# Altium PCB pay-optical-tls2591.PcbDoc (part 3 of 4)
Units mm, origin at the board's own origin, x right, y up, seen from the top; angles counter-clockwise.
Board outline 127 x 55 mm, 4 copper layers (Top Layer, GND, POWER, Bottom Layer), stack 0.778 mm thick; 340 components, 205 nets, 1087 pads, 428 vias.
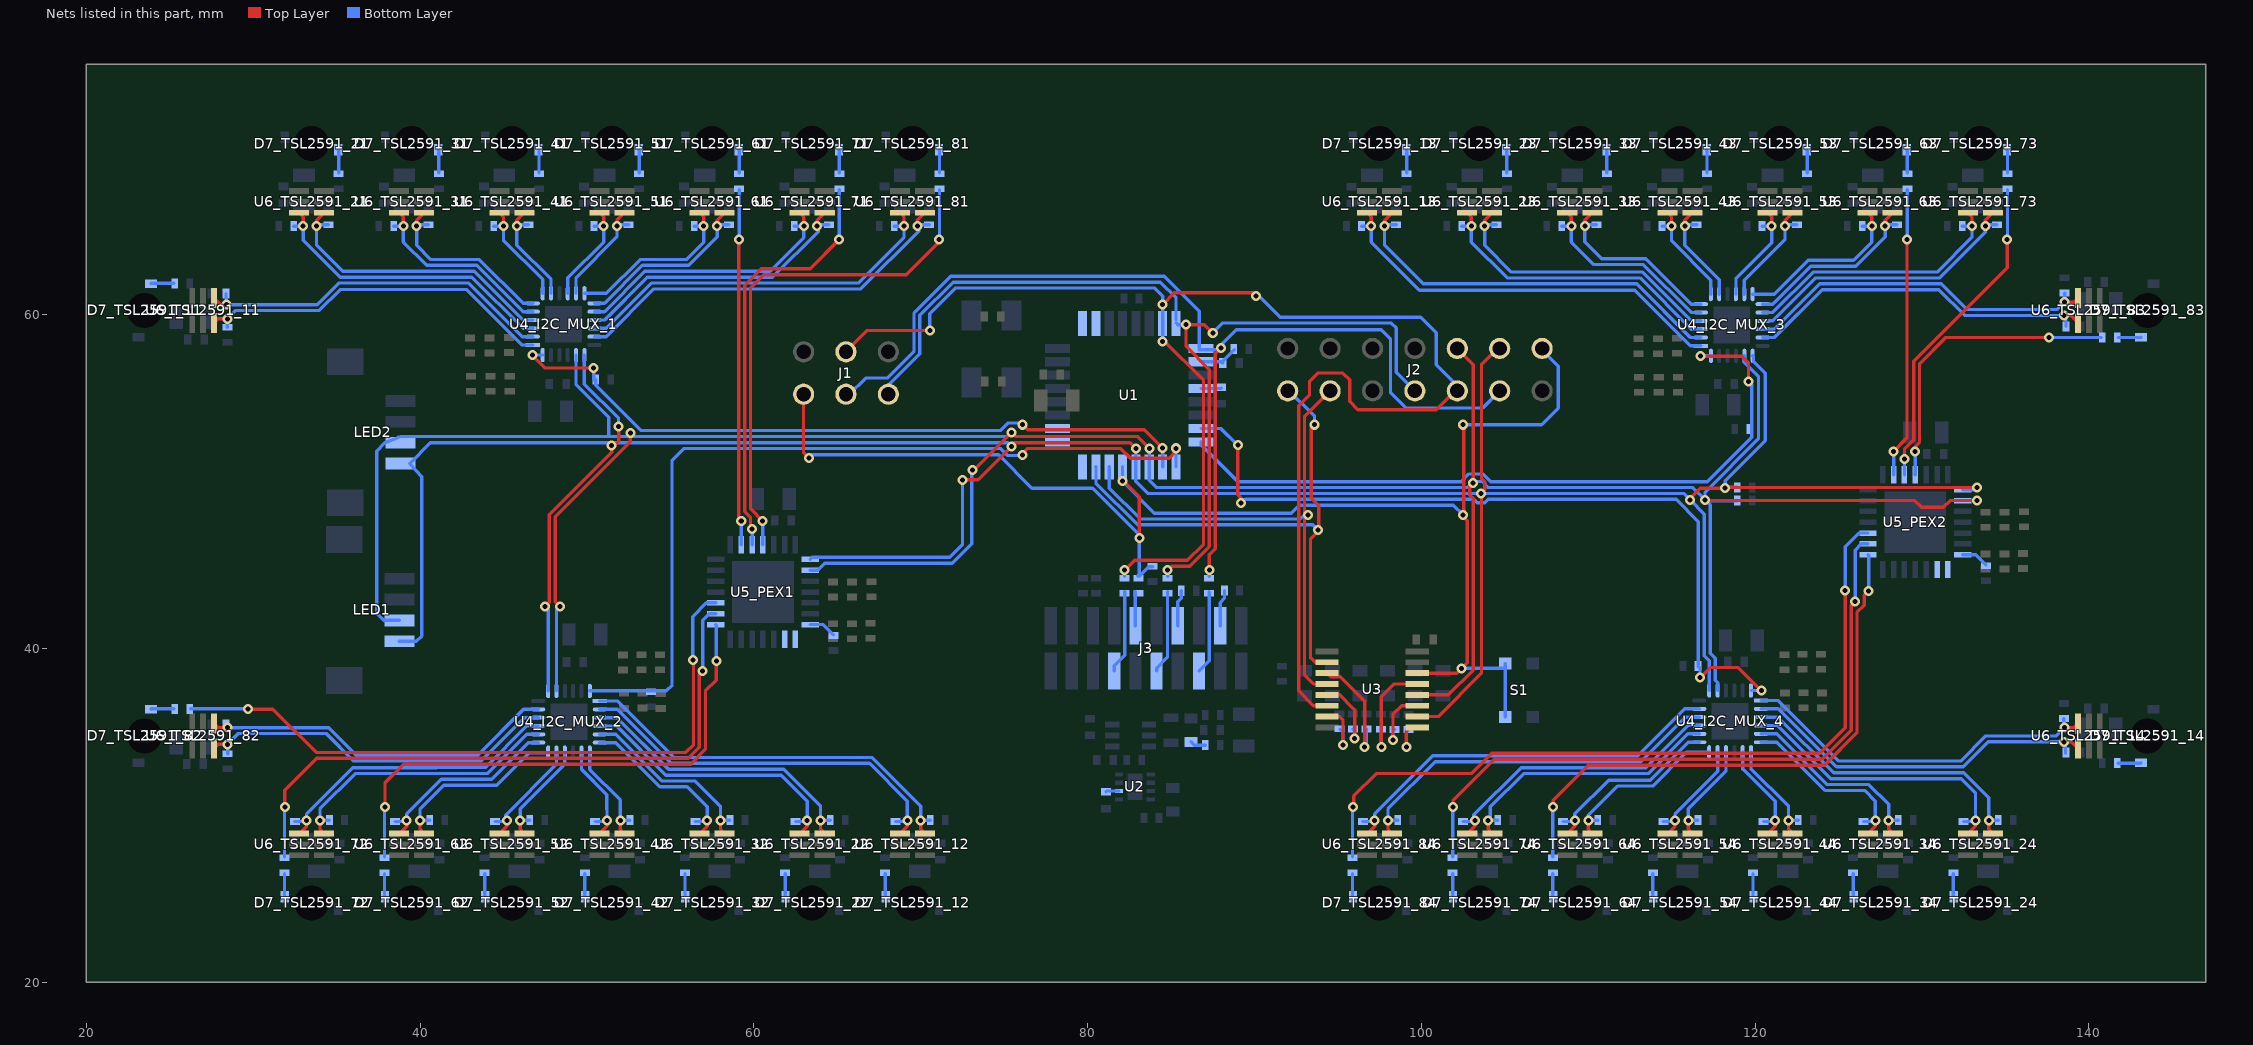
[diagram p5: the nets of this part, all layers, seen from the top]

## Via types
v1: diameter 0.6, hole 0.3, Top Layer to Bottom Layer, tented both sides, 404 vias
v2: diameter 1.3, hole 1, Top Layer to Bottom Layer, 16 vias
v3: diameter 6.5, hole 3.6, Top Layer to Bottom Layer, 8 vias

## Nets (pads, with @x,y where several pads share a name; then routed paths per layer and width w, separated by ;. In a path a pad name is that pad's centre, name@x,y a point inside that pad or via, vN(x,y) a via of type N, cw(c..) or ccw(c..) an arc to the next point about the centre after c; other vN are vias at no path point) (continued)
LED6_SENS1: R24_TSL2591_61.1 U5_PEX1.2 | length 21.3
  Top Layer w0.2: v1@59.1,64.475 59.1,47.772 v1(59.247,47.625)
  Bottom Layer w0.2: v1(59.1,64.5) 59.125,64.525 R24_TSL2591_61.1@59.125,67.492 ; U5_PEX1.2@59.247,46.211 v1(59.247,47.625)
LED6_SENS2: R24_TSL2591_62.1 U5_PEX1.22 | length 32.2
  Top Layer w0.2: v1(37.9,30.5) 37.9,31.942 39.015,33.057 56.214,33.057 57.102,33.946 57.102,37.449 57.75,38.096 v1(57.75,39.25)
  Bottom Layer w0.2: R24_TSL2591_62.1@37.875,27.509 37.875,30.475 v1(37.9,30.5) ; U5_PEX1.22@57.712,41.426 57.75,41.388 v1(57.75,39.25)
LED6_SENS3: R24_TSL2591_63.1 U5_PEX2.2 | length 17.6
  Top Layer w0.2: v1@128.152,51.956 v1(128.299,51.809) 129.1,52.61 v1@129.1,64.5
  Bottom Layer w0.2: U5_PEX2.2@128.299,50.395 v1(128.299,51.809) ; v1(129.092,64.5) 129.117,64.525 R24_TSL2591_63.1@129.117,67.491
LED6_SENS4: R24_TSL2591_64.1 U5_PEX2.22 | length 34.2
  Top Layer w0.2: v1(107.9,30.5) 107.9,30.9 110.005,33.005 124.156,33.005 126.102,34.95 126.102,42.151 126.544,42.593 126.544,43.176 v1(126.802,43.434)
  Bottom Layer w0.2: R24_TSL2591_64.1@107.875,27.508 107.875,30.475 v1(107.9,30.5) ; U5_PEX2.22@126.764,45.61 126.802,45.572 v1(126.802,43.434)
LED7_SENS1: R24_TSL2591_71.1 U5_PEX1.3 | length 25.5
  Top Layer w0.2: v1(59.9,47.15) 59.799,47.25 59.799,47.854 59.452,48.201 59.452,61.76 60.442,62.75 63.375,62.75 v1@65.125,64.5
  Bottom Layer w0.2: U5_PEX1.3@59.897,46.211 59.897,47.147 v1(59.9,47.15) ; v1(65.1,64.5) 65.125,64.525 R24_TSL2591_71.1@65.125,67.492
LED7_SENS2: R24_TSL2591_72.1 U5_PEX1.23 | length 38.5
  Top Layer w0.2: v1(31.9,30.5) 31.9,31.5 33.809,33.41 56.068,33.41 56.74,34.081 56.74,38.438 v1(56.94,38.638)
  Bottom Layer w0.2: R24_TSL2591_72.1@31.875,27.509 31.875,30.475 v1(31.9,30.5) ; v1(56.94,38.638) 56.94,41.696 57.32,42.076 U5_PEX1.23@57.712,42.076
LED7_SENS3: R24_TSL2591_73.1 U5_PEX2.3 | length 19.7
  Top Layer w0.2: v1(128.952,51.333) 128.952,51.962 129.5,52.51 129.5,57.204 135.1,62.804 v1@135.1,64.5
  Bottom Layer w0.2: U5_PEX2.3@128.949,50.395 128.949,51.33 v1(128.952,51.333) ; v1(135.092,64.5) 135.117,64.525 R24_TSL2591_73.1@135.117,67.491
LED7_SENS4: R24_TSL2591_74.1 U5_PEX2.23 | length 40.8
  Top Layer w0.2: v1(101.9,30.5) 101.9,30.9 104.357,33.357 124.01,33.357 125.749,35.096 125.749,42.579 v1(125.992,42.822)
  Bottom Layer w0.2: R24_TSL2591_74.1@101.875,27.508 101.875,30.475 v1(101.9,30.5) ; v1(125.992,42.822) 125.992,45.879 126.372,46.26 U5_PEX2.23@126.764,46.26
LED8_SENS1: R24_TSL2591_81.1 U5_PEX1.4 | length 31.2
  Top Layer w0.2: v1(60.532,47.625) 59.805,48.353 59.805,61.614 60.588,62.398 69.143,62.398 v1@71.125,64.38
  Bottom Layer w0.2: v1(60.532,47.625) 60.532,46.291 60.5,46.258 U5_PEX1.4@60.547,46.211 ; v1(71.1,64.5) 71.125,64.525 R24_TSL2591_81.1@71.125,67.492
LED8_SENS2: R24_TSL2591_82.1 U5_PEX1.24 | length 40.9
  Top Layer w0.2: v1(29.678,36.375) 29.703,36.35 31.178,36.35 33.766,33.762 55.922,33.762 56.387,34.227 56.387,39.334 v1(56.345,39.292)
  Bottom Layer w0.2: R24_TSL2591_82.1@26.258,36.375 v1(29.678,36.375) ; v1(56.345,39.292) 56.345,41.908 57.163,42.726 U5_PEX1.24@57.712,42.726
LED8_SENS3: R24_TSL2591_83.1 U5_PEX2.4 | length 18.3
  Top Layer w0.2: v1(129.584,51.809) 129.584,52.096 129.852,52.364 129.852,57.058 131.422,58.628 v1(137.6,58.628)
  Bottom Layer w0.2: v1(129.584,51.809) 129.584,50.474 129.552,50.442 U5_PEX2.4@129.599,50.395 ; v1(137.6,58.628) 138.371,58.628 138.375,58.624 R24_TSL2591_83.1@140.742,58.624
LED8_SENS4: R24_TSL2591_84.1 U5_PEX2.24 | length 47.5
  Top Layer w0.2: v1(95.9,30.5) 95.95,30.45 95.95,31.158 97.292,32.5 103.002,32.5 104.211,33.709 123.864,33.709 125.397,35.242 v1(125.397,43.475) v1@125.439,43.518
  Bottom Layer w0.2: R24_TSL2591_84.1@95.875,27.508 95.875,30.475 v1(95.9,30.5) ; v1(125.397,43.475) 125.397,46.092 126.215,46.91 U5_PEX2.24@126.764,46.91
MISO: J1.1 J2.7 R20.1 U1.16 | length 58.8
  Top Layer w0.2: v1(84.797,44.692) 85.033,44.929 86.126,44.929 87.3,46.103 87.3,56.7 85.9,58.1 v1(85.9,59.4) 87,59.4 v1(87.5,58.9)
  Bottom Layer w0.2: J1.1@68.062,55.23 68.062,55.762 69.952,57.652 69.952,59.954 71.946,61.948 84.352,61.948 85.3,61 U1.16@85.3,59.7 ; R20.1@84.797,44.303 v1(84.797,44.692) ; U1.16@85.3,59.5 85.4,59.4 v1(85.9,59.4) ; v1(87.5,58.9) 88.1,59.5 90.9,59.5 90.905,59.495 98.205,59.495 98.5,59.2 98.5,56.543 J2.7@99.613,55.43
MISO_IN: J3.11 R20.2 | length 5
  Bottom Layer w0.2: J3.11@84.135,38.641 84.135,38.812 84.784,39.461 84.784,43.403 R20.2@84.797,43.403
MOSI: J1.4 J2.9 R18.1 U1.15 U3.6 | length 96.7
  Top Layer w0.2: J1.4@65.522,57.77 66.8,59.048 v1(70.552,59.048) ; v1(82.214,44.682) 82.814,45.282 85.98,45.282 86.948,46.249 86.948,56.052 84.5,58.5 v1(84.5,58.4) ; v1(84.5,60.6) 85.2,61.3 89.9,61.3 v1(90.1,61.1) ; U3.6@94.347,36.566 93.534,36.566 92.648,37.452 92.648,54.548 93.3,55.2 93.3,56 93.8,56.5 95.3,56.5 95.7,56.1 95.7,54.8 96.2,54.3 100.9,54.3 J2.9@102,55.4
  Bottom Layer w0.2: v1(70.552,59.048) 70.552,60.055 72.092,61.595 84.005,61.595 84.5,61.1 v1(84.5,60.6) U1.15@84.5,59.5 ; R18.1@82.214,44.303 v1(82.214,44.682) ; U1.15@84.496,59.475 84.496,58.404 v1(84.5,58.4) ; v1@90.2,61.2 91.552,59.848 99.952,59.848 100.9,58.9 100.9,57 102.153,55.747 J2.9@102.153,55.43
MOSI_IN: J3.7 R18.2 | length 5
  Bottom Layer w0.2: J3.7@81.595,38.641 81.595,38.951 82.221,39.577 82.221,43.397 R18.2@82.214,43.403
MUX1_RST_N: R45_I2C_MUX_1.1 U1.26 U4_I2C_MUX_1.24 | length 42.7
  Top Layer w0.2: v1(46.726,57.574) 47.5,56.8 v1(50.4,56.8) ; v1(76.1,53.4) 76.4,53.1 83.391,53.1 v1(84.496,51.996)
  Bottom Layer w0.2: v1(46.726,57.574) U4_I2C_MUX_1.24@47.35,57.574 ; R45_I2C_MUX_1.1@50.4,56.099 v1(50.4,56.8) ; R45_I2C_MUX_1.1@50.524,56.099 50.524,55.776 53.248,53.052 74.772,53.052 75.221,53.502 75.998,53.502 v1(76.1,53.4) ; U1.26@84.496,50.875 v1(84.496,51.996)
MUX2_RST_N: R45_I2C_MUX_2.1 U1.25 U4_I2C_MUX_2.24 | length 51.1
  Top Layer w0.2: v1(76.1,51.6) 76.1,51.7 76.373,51.973 81.998,51.973 82.571,51.4 84.897,51.4 85.296,51.799 v1(85.296,51.991)
  Bottom Layer w0.2: U4_I2C_MUX_2.24@50.175,37.452 54.752,37.452 55.1,37.8 55.1,51.273 55.8,51.973 74.791,51.973 75.209,51.555 76.055,51.555 v1(76.1,51.6) ; U1.25@85.296,50.875 v1(85.296,51.991)
MUX3_RST_N: R45_I2C_MUX_3.1 U1.24 U4_I2C_MUX_3.24 | length 43.8
  Top Layer w0.2: v1(116.725,57.527) 116.752,57.5 119.2,57.5 119.6,57.1 v1(119.6,56)
  Bottom Layer w0.2: U1.24@86.796,52.375 86.796,52.204 89.013,49.987 102.387,49.987 102.852,50.452 103.693,50.452 104.157,49.987 117.137,49.987 119.8,52.651 119.8,55.8 v1(119.6,56) ; v1(116.725,57.527) U4_I2C_MUX_3.24@117.349,57.527
MUX4_RST_N: R45_I2C_MUX_4.1 U1.23 U4_I2C_MUX_4.24 | length 48.8
  Top Layer w0.2: v1(89,52.2) 89,49.215 88.992,49.208 89.2,49 v1(89.2,48.7) ; v1(116.7,38.25) 117.302,38.852 118.997,38.852 v1(120.374,37.475)
  Bottom Layer w0.2: U1.23@86.796,53.175 87.992,53.175 88.967,52.2 v1(89,52.2) ; v1(89.2,48.7) 89.43,48.93 103.154,48.93 103.354,48.73 103.811,48.73 104.011,48.93 115.27,48.93 116.6,47.6 R45_I2C_MUX_4.1@116.6,39 ; R45_I2C_MUX_4.1@116.6,38.9 116.7,38.8 v1(116.7,38.25) ; U4_I2C_MUX_4.24@119.75,37.475 v1(120.374,37.475)
NetC3_2: C3.2 U1.20 | length 1.2
  Bottom Layer w0.2: U1.20@86.796,55.575 87.975,55.575 C3.2@88,55.6
NetC4_2: C4.2 R1.1 U1.18 | length 2.4
  Bottom Layer w0.2: U1.18@86.796,57.175 88.025,57.175 C4.2@88.1,57.1 88.1,57.2 R1.1@88.8,57.9
NetC8_1: C8.1 R6.2 | length 0.9
  Bottom Layer w0.2: C8.1@86.2,34.4 86.4,34.2 R6.2@87.05,34.2
NetC19_2: C19.2 U2.6 | length 0.8
  Bottom Layer w0.2: C19.2@81.1,31.4 81.15,31.45 U2.6@81.884,31.45
NetD7_TSL2591_11_1: D7_TSL2591_11.1 R24_TSL2591_11.2 | length 1.4
  Bottom Layer w0.2: D7_TSL2591_11.1@23.875,61.85 23.9,61.875 R24_TSL2591_11.2@25.258,61.875
NetD7_TSL2591_12_1: D7_TSL2591_12.1 R24_TSL2591_12.2 | length 1.4
  Bottom Layer w0.2: R24_TSL2591_12.2@67.875,26.509 67.875,25.151 D7_TSL2591_12.1@67.9,25.125
NetD7_TSL2591_13_1: D7_TSL2591_13.1 R24_TSL2591_13.2 | length 1.4
  Bottom Layer w0.2: D7_TSL2591_13.1@99.092,69.875 99.117,69.849 R24_TSL2591_13.2@99.117,68.491
NetD7_TSL2591_14_1: D7_TSL2591_14.1 R24_TSL2591_14.2 | length 1.4
  Bottom Layer w0.2: R24_TSL2591_14.2@141.742,33.125 143.1,33.125 D7_TSL2591_14.1@143.125,33.15
NetD7_TSL2591_21_1: D7_TSL2591_21.1 R24_TSL2591_21.2 | length 1.4
  Bottom Layer w0.2: D7_TSL2591_21.1@35.1,69.875 35.125,69.85 R24_TSL2591_21.2@35.125,68.492
NetD7_TSL2591_22_1: D7_TSL2591_22.1 R24_TSL2591_22.2 | length 1.4
  Bottom Layer w0.2: R24_TSL2591_22.2@61.875,26.509 61.875,25.151 D7_TSL2591_22.1@61.9,25.125
NetD7_TSL2591_23_1: D7_TSL2591_23.1 R24_TSL2591_23.2 | length 1.4
  Bottom Layer w0.2: D7_TSL2591_23.1@105.092,69.875 105.117,69.849 R24_TSL2591_23.2@105.117,68.491
NetD7_TSL2591_24_1: D7_TSL2591_24.1 R24_TSL2591_24.2 | length 1.4
  Bottom Layer w0.2: R24_TSL2591_24.2@131.875,26.508 131.875,25.15 D7_TSL2591_24.1@131.9,25.125
NetD7_TSL2591_31_1: D7_TSL2591_31.1 R24_TSL2591_31.2 | length 1.4
  Bottom Layer w0.2: D7_TSL2591_31.1@41.1,69.875 41.125,69.85 R24_TSL2591_31.2@41.125,68.492
NetD7_TSL2591_32_1: D7_TSL2591_32.1 R24_TSL2591_32.2 | length 1.4
  Bottom Layer w0.2: R24_TSL2591_32.2@55.875,26.509 55.875,25.151 D7_TSL2591_32.1@55.9,25.125
NetD7_TSL2591_33_1: D7_TSL2591_33.1 R24_TSL2591_33.2 | length 1.4
  Bottom Layer w0.2: D7_TSL2591_33.1@111.092,69.875 111.117,69.849 R24_TSL2591_33.2@111.117,68.491
NetD7_TSL2591_34_1: D7_TSL2591_34.1 R24_TSL2591_34.2 | length 1.4
  Bottom Layer w0.2: R24_TSL2591_34.2@125.875,26.508 125.875,25.15 D7_TSL2591_34.1@125.9,25.125
NetD7_TSL2591_41_1: D7_TSL2591_41.1 R24_TSL2591_41.2 | length 1.4
  Bottom Layer w0.2: D7_TSL2591_41.1@47.1,69.875 47.125,69.85 R24_TSL2591_41.2@47.125,68.492
NetD7_TSL2591_42_1: D7_TSL2591_42.1 R24_TSL2591_42.2 | length 1.4
  Bottom Layer w0.2: R24_TSL2591_42.2@49.875,26.509 49.875,25.151 D7_TSL2591_42.1@49.9,25.125
NetD7_TSL2591_43_1: D7_TSL2591_43.1 R24_TSL2591_43.2 | length 1.4
  Bottom Layer w0.2: D7_TSL2591_43.1@117.092,69.875 117.117,69.849 R24_TSL2591_43.2@117.117,68.491
NetD7_TSL2591_44_1: D7_TSL2591_44.1 R24_TSL2591_44.2 | length 1.4
  Bottom Layer w0.2: R24_TSL2591_44.2@119.875,26.508 119.875,25.15 D7_TSL2591_44.1@119.9,25.125
NetD7_TSL2591_51_1: D7_TSL2591_51.1 R24_TSL2591_51.2 | length 1.4
  Bottom Layer w0.2: D7_TSL2591_51.1@53.1,69.875 53.125,69.85 R24_TSL2591_51.2@53.125,68.492
NetD7_TSL2591_52_1: D7_TSL2591_52.1 R24_TSL2591_52.2 | length 1.4
  Bottom Layer w0.2: R24_TSL2591_52.2@43.875,26.509 43.875,25.151 D7_TSL2591_52.1@43.9,25.125
NetD7_TSL2591_53_1: D7_TSL2591_53.1 R24_TSL2591_53.2 | length 1.4
  Bottom Layer w0.2: D7_TSL2591_53.1@123.092,69.875 123.117,69.849 R24_TSL2591_53.2@123.117,68.491
NetD7_TSL2591_54_1: D7_TSL2591_54.1 R24_TSL2591_54.2 | length 1.4
  Bottom Layer w0.2: R24_TSL2591_54.2@113.875,26.508 113.875,25.15 D7_TSL2591_54.1@113.9,25.125
NetD7_TSL2591_61_1: D7_TSL2591_61.1 R24_TSL2591_61.2 | length 1.4
  Bottom Layer w0.2: D7_TSL2591_61.1@59.1,69.875 59.125,69.85 R24_TSL2591_61.2@59.125,68.492
NetD7_TSL2591_62_1: D7_TSL2591_62.1 R24_TSL2591_62.2 | length 1.4
  Bottom Layer w0.2: R24_TSL2591_62.2@37.875,26.509 37.875,25.151 D7_TSL2591_62.1@37.9,25.125
NetD7_TSL2591_63_1: D7_TSL2591_63.1 R24_TSL2591_63.2 | length 1.4
  Bottom Layer w0.2: D7_TSL2591_63.1@129.092,69.875 129.117,69.849 R24_TSL2591_63.2@129.117,68.491
NetD7_TSL2591_64_1: D7_TSL2591_64.1 R24_TSL2591_64.2 | length 1.4
  Bottom Layer w0.2: R24_TSL2591_64.2@107.875,26.508 107.875,25.15 D7_TSL2591_64.1@107.9,25.125
NetD7_TSL2591_71_1: D7_TSL2591_71.1 R24_TSL2591_71.2 | length 1.4
  Bottom Layer w0.2: D7_TSL2591_71.1@65.1,69.875 65.125,69.85 R24_TSL2591_71.2@65.125,68.492
NetD7_TSL2591_72_1: D7_TSL2591_72.1 R24_TSL2591_72.2 | length 1.4
  Bottom Layer w0.2: R24_TSL2591_72.2@31.875,26.509 31.875,25.151 D7_TSL2591_72.1@31.9,25.125
NetD7_TSL2591_73_1: D7_TSL2591_73.1 R24_TSL2591_73.2 | length 1.4
  Bottom Layer w0.2: D7_TSL2591_73.1@135.092,69.875 135.117,69.849 R24_TSL2591_73.2@135.117,68.491
NetD7_TSL2591_74_1: D7_TSL2591_74.1 R24_TSL2591_74.2 | length 1.4
  Bottom Layer w0.2: R24_TSL2591_74.2@101.875,26.508 101.875,25.15 D7_TSL2591_74.1@101.9,25.125
NetD7_TSL2591_81_1: D7_TSL2591_81.1 R24_TSL2591_81.2 | length 1.4
  Bottom Layer w0.2: D7_TSL2591_81.1@71.1,69.875 71.125,69.85 R24_TSL2591_81.2@71.125,68.492
NetD7_TSL2591_82_1: D7_TSL2591_82.1 R24_TSL2591_82.2 | length 1.4
  Bottom Layer w0.2: D7_TSL2591_82.1@23.875,36.35 23.9,36.375 R24_TSL2591_82.2@25.258,36.375
NetD7_TSL2591_83_1: D7_TSL2591_83.1 R24_TSL2591_83.2 | length 1.4
  Bottom Layer w0.2: R24_TSL2591_83.2@141.742,58.624 143.099,58.624 D7_TSL2591_83.1@143.125,58.649
NetD7_TSL2591_84_1: D7_TSL2591_84.1 R24_TSL2591_84.2 | length 1.4
  Bottom Layer w0.2: R24_TSL2591_84.2@95.875,26.508 95.875,25.15 D7_TSL2591_84.1@95.9,25.125
NetJ3_14: J3.14 R4.1 | length 2.1
  Bottom Layer w0.2: J3.14@85.405,41.359 85.4,41.364 85.4,42.8 85.603,43.003 ; 85.603,43.053 R4.1@85.603,43.453
NetJ3_18: J3.18 R5.1 | length 2.1
  Bottom Layer w0.2: J3.18@87.945,41.359 87.945,42.745 88.2,43 ; 88.203,43.054 R5.1@88.203,43.454
NetR32_PEX1_1: R32_PEX1.1 U5_PEX1.14 | length 1.6
  Bottom Layer w0.2: U5_PEX1.14@63.382,41.426 64.169,41.426 R32_PEX1.1@64.774,40.82
NetR32_PEX2_1: R32_PEX2.1 U5_PEX2.14 | length 1.6
  Bottom Layer w0.2: U5_PEX2.14@132.434,45.61 133.221,45.61 R32_PEX2.1@133.826,45.004
NetU1_1: U1.1
NetU1_2: U1.2
NetU1_9: U1.9
NetU1_10: U1.10
NetU1_32: U1.32
NetU5_PEX1_15: U5_PEX1.15
NetU5_PEX1_16: U5_PEX1.16
NetU5_PEX2_15: U5_PEX2.15
NetU5_PEX2_16: U5_PEX2.16
OUT1: R8.2 U3.3 | length 6.8
  Top Layer w0.2: U3.3@94.347,38.516 94.569,38.293 95.151,38.293 96.6,36.845 v1(96.6,34.1)
  Bottom Layer w0.2: v1(96.6,34.1) 96.7,34.2 96.7,35.12 R8.2@96.746,35.166
OUT2: R9.2 U3.5 | length 4.5
  Top Layer w0.2: U3.5@94.347,37.216 95.101,37.216 95.9,36.417 95.898,36.415 95.9,36.413 96,36.313 v1(96,34.6) 96,34.617 v1@95.898,34.718
  Bottom Layer w0.2: R9.2@95.898,35.166 95.9,35.164 96,35.065 v1(96,34.6)
OUT3: R10.2 U3.7 | length 3.6
  Top Layer w0.2: U3.7@94.347,35.916 95.101,35.916 95.3,35.717 v1(95.3,34.2)
  Bottom Layer w0.2: R10.2@95.123,35.166 95.3,34.989 v1(95.3,34.2)
OUT4: R11.2 U3.9 | length 2.7
  Top Layer w0.2: v1(99.1,34.1) 99.1,35.017 99.349,35.266 U3.9@99.747,35.266
  Bottom Layer w0.2: v1(99.1,34.1) 99.111,34.111 R11.2@99.111,35.167
OUT5: R12.2 U3.11 | length 3.9
  Top Layer w0.2: v1(98.3,34.5) 98.3,36.042 98.824,36.566 U3.11@99.747,36.566
  Bottom Layer w0.2: v1(98.3,34.5) 98.3,35.041 R12.2@98.4,35.142
OUT6: R13.2 U3.13 | length 6.2
  Top Layer w0.2: v1(97.6,34.1) 97.6,37.092 98.374,37.866 U3.13@99.747,37.866
  Bottom Layer w0.2: R13.2@97.594,35.159 97.594,34.381 v1@97.6,34.375
RST_N: J1.5 J2.14 R2.1 R19.2 S1.1 U1.29 U3.14 | length 89.4
  Top Layer w0.2: J1.5@62.982,55.23 62.982,51.718 v1(63.3,51.4) ; v1(82.096,50.025) 82.175,50.025 83.1,49.1 v1(83.1,46.6) ; U3.14@99.747,38.516 102.116,38.516 v1(102.4,38.8) 102.748,39.148 102.748,47.652 102.548,47.852 102.548,53.352 v1(102.5,53.4)
  Bottom Layer w0.2: v1(63.3,51.4) 63.5,51.6 74.665,51.6 76.665,49.6 ; 76.7,49.6 80.303,49.6 83.1,46.803 v1(83.1,46.6) 83.1,44.459 83,44.359 83.055,44.303 83.652,44.9 R2.1@83.9,44.9 ; v1(82.096,50.025) v1@82.096,50.004 ; U1.29@82.096,50.875 v1@82.096,50.004 ; v1(102.4,38.8) S1.1@105.027,38.8 ; v1(102.5,48) 101.922,48.578 92.678,48.578 92.205,48.105 83.995,48.105 v1@82.096,50.004 ; v1(102.5,53.4) 107.2,53.4 108.2,54.4 108.2,56.9 107.233,57.867 J2.14@107.233,57.97 ; S1.1@105.027,35.891 S1.1@105.027,38.8 ; S1.1@105.027,39.091 S1.1@105.027,38.8
RST_N_IN: J3.10 R19.1 | length 2
  Bottom Layer w0.2: R19.1@82.855,43.403 82.865,43.394 J3.10@82.865,41.359
RX: J2.3 U1.30 U3.4 | length 33.4
  Top Layer w0.2: v1(93.2,48) v1@93.3,48.1 ; U3.4@94.347,37.866 93.534,37.866 93,38.4 93,48.4 93,53.9 J2.3@94.5,55.4
  Bottom Layer w0.2: U1.30@81.296,50.875 81.296,49.604 83.148,47.752 92.752,47.752 93,48 v1(93.2,48)
SCK: J1.3 J2.11 R21.1 U1.17 | length 65.3
  Top Layer w0.2: v1(87.3,44.7) 87.3,45.552 87.273,45.578 87.652,45.957 87.652,57.652 v1(88,58)
  Bottom Layer w0.2: J1.3@65.522,55.23 65.73,55.23 66.7,56.2 68,56.2 69.6,57.8 69.6,60.1 71.8,62.3 84.6,62.3 86.7,60.2 U1.17@86.7,58 ; U1.17@86.7,57.9 87.9,57.9 v1(88,58) ; R21.1@87.273,44.303 87.3,44.33 v1(87.3,44.7) ; v1@88.1,58.1 88.1,58.3 88.155,58.355 88.9,59.1 97.6,59.1 98.148,58.552 98.148,55.352 99.1,54.4 103.663,54.4 J2.11@104.693,55.43
SCK_IN: J3.15 R21.2 | length 5
  Bottom Layer w0.2: J3.15@86.675,38.641 87.3,39.266 87.3,43.377 R21.2@87.273,43.403
SCL: J2.12 LED1.4 LED2.4 R15.1 U1.28 U3.10 U4_I2C_MUX_1.19 U4_I2C_MUX_2.19 U4_I2C_MUX_3.19 U4_I2C_MUX_4.19 U5_PEX1.8 U5_PEX2.8 | length 197.2
  Top Layer w0.2: v1(47.5,42.5) 47.748,42.748 47.748,48.021 51.484,51.757 v1(51.484,52.148) 51.623,52.148 51.9,52.425 v1(51.9,53.3) ; v1(72.5,50.1) 73.436,50.1 v1(75.443,52.107) ; v1@75.528,52.325 82.542,52.325 v1(82.896,51.971) ; U3.10@99.747,35.916 101.016,35.916 103.6,38.5 v1@103.6,49.3 ; v1(103.583,49.283) v1@103.6,49.3 ; J2.12@104.6,58 103.6,57 103.6,50.181 103.8,49.981 103.8,49.5 v1@103.6,49.3 ; v1(116.1,48.9) 116.1,49 116.7,49.6 v1(118.2,49.6) ; v1@118.335,49.635 v1(133.3,49.635)
  Bottom Layer w0.2: LED1.4@38.763,40.425 39.784,40.425 40.1,40.741 40.1,50.287 39.375,51.075 40.625,52.325 75.225,52.325 v1(75.443,52.107) ; v1(47.5,42.5) 47.675,42.325 47.675,38.457 47.678,38.455 47.678,37.454 U4_I2C_MUX_2.19@47.675,37.452 ; U4_I2C_MUX_1.19@49.85,57.574 49.848,57.572 49.848,55.827 51.895,53.779 v1@51.895,53.3 ; U5_PEX1.8@63.382,45.326 63.508,45.452 71.748,45.452 72.5,46.204 v1(72.5,50.1) ; v1(82.896,51.971) U1.28@82.896,50.875 82.896,50 83.613,49.283 v1(103.583,49.283) 115.717,49.283 v1(116.1,48.9) 116.952,48.048 116.952,39.558 117.252,39.258 117.252,37.478 U4_I2C_MUX_4.19@117.25,37.475 ; R15.1@118.924,49.65 118.25,49.65 v1(118.2,49.6) 118.2,50.054 120.6,52.454 120.6,56.5 119.897,57.203 119.897,57.479 U4_I2C_MUX_3.19@119.849,57.527 ; U5_PEX2.8@132.434,49.51 133.175,49.51 v1(133.3,49.635)
SCL0_I2C_MUX_1: R23_TSL2591_11.1 U4_I2C_MUX_1.2 U6_TSL2591_11.1 | length 21.8
  Top Layer w0.2: U6_TSL2591_11.1@27.65,61 28.05,60.6 v1(28.4,60.6)
  Bottom Layer w0.2: R23_TSL2591_11.1@28.374,61.253 28.374,60.626 v1(28.4,60.6) 33.826,60.6 35.116,61.89 42.909,61.89 46.125,58.675 U4_I2C_MUX_1.2@46.749,58.675
SCL0_I2C_MUX_2: R23_TSL2591_12.1 U4_I2C_MUX_2.2 U6_TSL2591_12.1 | length 23.6
  Top Layer w0.2: U6_TSL2591_12.1@68.75,28.9 69.2,29.35 v1(69.2,29.7)
  Bottom Layer w0.2: U4_I2C_MUX_2.2@50.776,36.351 51.822,36.351 55.063,33.11 66.935,33.11 69.2,30.845 v1(69.2,29.7) 69.124,29.624 R23_TSL2591_12.1@68.497,29.624
SCL0_I2C_MUX_3: R23_TSL2591_13.1 U4_I2C_MUX_3.2 U6_TSL2591_13.1 | length 24.1
  Top Layer w0.2: v1(97.792,65.3) 97.792,65.65 U6_TSL2591_13.1@98.242,66.1
  Bottom Layer w0.2: R23_TSL2591_13.1@98.495,65.376 97.868,65.376 v1(97.792,65.3) 97.792,64.155 100.104,61.843 112.909,61.843 116.124,58.628 U4_I2C_MUX_3.2@116.749,58.628
SCL0_I2C_MUX_4: R23_TSL2591_14.1 U4_I2C_MUX_4.2 U6_TSL2591_14.1 | length 22
  Top Layer w0.2: v1(138.5,34.4) 138.95,34.4 U6_TSL2591_14.1@139.35,34
  Bottom Layer w0.2: U4_I2C_MUX_4.2@120.351,36.375 121.396,36.375 124.874,32.898 132.466,32.898 133.968,34.4 v1(138.5,34.4) 138.6,34.3 R23_TSL2591_14.1@138.6,33.7
SCL1_I2C_MUX_1: R23_TSL2591_21.1 U4_I2C_MUX_1.4 U6_TSL2591_21.1 | length 17.7
  Top Layer w0.2: v1(33.8,65.3) 33.8,65.65 U6_TSL2591_21.1@34.25,66.1
  Bottom Layer w0.2: R23_TSL2591_21.1@34.503,65.376 33.876,65.376 v1(33.8,65.3) 33.8,64.155 35.36,62.595 43.253,62.595 46.173,59.675 U4_I2C_MUX_1.4@46.749,59.675
SCL1_I2C_MUX_2: R23_TSL2591_22.1 U4_I2C_MUX_2.4 U6_TSL2591_22.1 | length 17.2
  Top Layer w0.2: U6_TSL2591_22.1@62.75,28.9 63.2,29.35 v1(63.2,29.7)
  Bottom Layer w0.2: U4_I2C_MUX_2.4@50.776,35.351 51.772,35.351 54.718,32.405 61.64,32.405 63.2,30.845 v1(63.2,29.7) 63.124,29.624 R23_TSL2591_22.1@62.497,29.624
SCL1_I2C_MUX_3: R23_TSL2591_23.1 U4_I2C_MUX_3.4 U6_TSL2591_23.1 | length 17.7
  Top Layer w0.2: v1(103.792,65.3) 103.792,65.65 U6_TSL2591_23.1@104.242,66.1
  Bottom Layer w0.2: R23_TSL2591_23.1@104.495,65.376 103.868,65.376 v1(103.792,65.3) 103.792,64.155 105.399,62.548 113.252,62.548 116.173,59.628 U4_I2C_MUX_3.4@116.749,59.628
SCL1_I2C_MUX_4: R23_TSL2591_24.1 U4_I2C_MUX_4.4 U6_TSL2591_24.1 | length 17.9
  Top Layer w0.2: U6_TSL2591_24.1@132.75,28.9 133.2,29.35 v1(133.2,29.7)
  Bottom Layer w0.2: U4_I2C_MUX_4.4@120.351,35.375 121.346,35.375 124.528,32.193 132.352,32.193 133.2,31.345 v1(133.2,29.7) 133.124,29.624 R23_TSL2591_24.1@132.498,29.624
SCL2_I2C_MUX_1: R23_TSL2591_31.1 U4_I2C_MUX_1.6 U6_TSL2591_31.1 | length 11.3
  Top Layer w0.2: v1(39.8,65.3) 39.8,65.65 U6_TSL2591_31.1@40.25,66.1
  Bottom Layer w0.2: R23_TSL2591_31.1@40.503,65.376 39.876,65.376 v1(39.8,65.3) 39.8,64.155 40.655,63.3 43.545,63.3 46.17,60.675 U4_I2C_MUX_1.6@46.749,60.675
SCL2_I2C_MUX_2: R23_TSL2591_32.1 U4_I2C_MUX_2.6 U6_TSL2591_32.1 | length 10.5
  Top Layer w0.2: U6_TSL2591_32.1@56.75,28.9 57.2,29.35 v1(57.2,29.7)
  Bottom Layer w0.2: U4_I2C_MUX_2.6@50.776,34.351 51.724,34.351 54.375,31.7 56,31.7 57.2,30.5 v1(57.2,29.7) 57.124,29.624 R23_TSL2591_32.1@56.497,29.624
SCL2_I2C_MUX_3: R23_TSL2591_33.1 U4_I2C_MUX_3.6 U6_TSL2591_33.1 | length 11.2
  Top Layer w0.2: v1(109.792,65.3) 109.792,65.65 U6_TSL2591_33.1@110.242,66.1
  Bottom Layer w0.2: R23_TSL2591_33.1@110.495,65.376 109.868,65.376 v1(109.792,65.3) 109.792,64.361 110.8,63.352 113.445,63.352 116.169,60.628 U4_I2C_MUX_3.6@116.749,60.628
SCL2_I2C_MUX_4: R23_TSL2591_34.1 U4_I2C_MUX_4.6 U6_TSL2591_34.1 | length 11.2
  Top Layer w0.2: U6_TSL2591_34.1@126.75,28.9 127.2,29.35 v1(127.2,29.7)
  Bottom Layer w0.2: U4_I2C_MUX_4.6@120.351,34.375 121.298,34.375 124.185,31.488 126.557,31.488 127.2,30.844 v1(127.2,29.7) 127.124,29.624 R23_TSL2591_34.1@126.498,29.624
SCL3_I2C_MUX_1: R23_TSL2591_41.1 U4_I2C_MUX_1.8 U6_TSL2591_41.1 | length 6.6
  Top Layer w0.2: v1(45.8,65.3) 45.8,65.65 U6_TSL2591_41.1@46.25,66.1
  Bottom Layer w0.2: R23_TSL2591_41.1@46.503,65.376 45.876,65.376 v1(45.8,65.3) 45.8,64.155 47.85,62.106 U4_I2C_MUX_1.8@47.85,61.275
SCL3_I2C_MUX_2: R23_TSL2591_42.1 U4_I2C_MUX_2.8 U6_TSL2591_42.1 | length 6.4
  Top Layer w0.2: U6_TSL2591_42.1@50.75,28.9 51.2,29.35 v1(51.2,29.7)
  Bottom Layer w0.2: U4_I2C_MUX_2.8@49.675,33.751 49.675,32.742 51.197,31.22 51.197,30.351 51.2,30.349 v1(51.2,29.7) 51.124,29.624 R23_TSL2591_42.1@50.497,29.624
SCL3_I2C_MUX_3: R23_TSL2591_43.1 U4_I2C_MUX_3.8 U6_TSL2591_43.1 | length 6.6
  Top Layer w0.2: v1(115.792,65.3) 115.792,65.65 U6_TSL2591_43.1@116.242,66.1
  Bottom Layer w0.2: R23_TSL2591_43.1@116.495,65.376 115.868,65.376 v1(115.792,65.3) 115.792,64.155 117.849,62.098 U4_I2C_MUX_3.8@117.849,61.228
SCL3_I2C_MUX_4: R23_TSL2591_44.1 U4_I2C_MUX_4.8 U6_TSL2591_44.1 | length 6.6
  Top Layer w0.2: U6_TSL2591_44.1@120.75,28.9 121.2,29.35 v1(121.2,29.7)
  Bottom Layer w0.2: U4_I2C_MUX_4.8@119.25,33.774 119.25,32.766 119.279,32.766 121.2,30.844 v1(121.2,29.7) 121.124,29.624 R23_TSL2591_44.1@120.498,29.624
SCL4_I2C_MUX_1: R23_TSL2591_51.1 U4_I2C_MUX_1.11 U6_TSL2591_51.1 | length 6.8
  Top Layer w0.2: v1(51.8,65.3) 51.8,65.65 U6_TSL2591_51.1@52.25,66.1
  Bottom Layer w0.2: U4_I2C_MUX_1.11@49.35,61.275 49.35,62.202 51.8,64.652 v1(51.8,65.3) 51.876,65.376 R23_TSL2591_51.1@52.503,65.376
SCL4_I2C_MUX_2: R23_TSL2591_52.1 U4_I2C_MUX_2.11 U6_TSL2591_52.1 | length 7
  Top Layer w0.2: U6_TSL2591_52.1@44.75,28.9 45.2,29.35 v1(45.2,29.7)
  Bottom Layer w0.2: R23_TSL2591_52.1@44.497,29.624 45.124,29.624 45.124,30 48.175,33.052 U4_I2C_MUX_2.11@48.175,33.751
SCL4_I2C_MUX_3: R23_TSL2591_53.1 U4_I2C_MUX_3.11 U6_TSL2591_53.1 | length 6.8
  Top Layer w0.2: v1(121.792,65.3) 121.792,65.65 U6_TSL2591_53.1@122.242,66.1
  Bottom Layer w0.2: U4_I2C_MUX_3.11@119.349,61.228 119.349,62.058 121.792,64.5 v1(121.792,65.3) 121.868,65.376 R23_TSL2591_53.1@122.495,65.376
SCL4_I2C_MUX_4: R23_TSL2591_54.1 U4_I2C_MUX_4.11 U6_TSL2591_54.1 | length 6.9
  Top Layer w0.2: U6_TSL2591_54.1@114.75,28.9 115.2,29.35 v1(115.2,29.7)
  Bottom Layer w0.2: R23_TSL2591_54.1@114.498,29.624 115.124,29.624 v1(115.2,29.7) 115.2,30.076 117.75,32.626 U4_I2C_MUX_4.11@117.75,33.774
SCL5_I2C_MUX_1: R23_TSL2591_61.1 U4_I2C_MUX_1.13 U6_TSL2591_61.1 | length 11.4
  Top Layer w0.2: v1(57.8,65.3) 57.8,65.65 U6_TSL2591_61.1@58.25,66.1
  Bottom Layer w0.2: U4_I2C_MUX_1.13@50.45,60.675 51.056,60.675 53.329,62.948 56.096,62.948 57.8,64.652 v1(57.8,65.3) 57.876,65.376 R23_TSL2591_61.1@58.503,65.376
SCL5_I2C_MUX_2: R23_TSL2591_62.1 U4_I2C_MUX_2.13 U6_TSL2591_62.1 | length 11.7
  Top Layer w0.2: U6_TSL2591_62.1@38.75,28.9 39.2,29.35 v1(39.2,29.7)
  Bottom Layer w0.2: R23_TSL2591_62.1@38.497,29.624 39.124,29.624 v1(39.2,29.7) 39.2,30.077 41.276,32.152 44.282,32.152 46.481,34.351 U4_I2C_MUX_2.13@47.075,34.351
SCL5_I2C_MUX_3: R23_TSL2591_63.1 U4_I2C_MUX_3.13 U6_TSL2591_63.1 | length 11.4
  Top Layer w0.2: v1(127.792,65.3) 127.792,65.65 U6_TSL2591_63.1@128.242,66.1
  Bottom Layer w0.2: U4_I2C_MUX_3.13@120.45,60.628 121.056,60.628 123.328,62.901 126.041,62.901 127.792,64.651 v1(127.792,65.3) 127.868,65.376 R23_TSL2591_63.1@128.495,65.376
SCL5_I2C_MUX_4: R23_TSL2591_64.1 U4_I2C_MUX_4.13 U6_TSL2591_64.1 | length 11.3
  Top Layer w0.2: U6_TSL2591_64.1@108.75,28.9 109.2,29.35 v1(109.2,29.7)
  Bottom Layer w0.2: R23_TSL2591_64.1@108.498,29.624 109.124,29.624 v1(109.2,29.7) 109.2,30.076 111.226,32.102 113.715,32.102 115.987,34.375 U4_I2C_MUX_4.13@116.649,34.375
SCL6_I2C_MUX_1: R23_TSL2591_71.1 U4_I2C_MUX_1.15 U6_TSL2591_71.1 | length 17.6
  Top Layer w0.2: v1(63.8,65.3) 63.8,65.65 U6_TSL2591_71.1@64.25,66.1
  Bottom Layer w0.2: U4_I2C_MUX_1.15@50.45,59.675 51.053,59.675 53.621,62.243 61.119,62.243 63.876,65 63.876,65.376 R23_TSL2591_71.1@64.503,65.376
SCL6_I2C_MUX_2: R23_TSL2591_72.1 U4_I2C_MUX_2.15 U6_TSL2591_72.1 | length 18.2
  Top Layer w0.2: U6_TSL2591_72.1@32.75,28.9 33.2,29.35 v1(33.2,29.7)
  Bottom Layer w0.2: R23_TSL2591_72.1@32.497,29.624 33.124,29.624 v1(33.2,29.7) 33.2,30.077 35.976,32.852 40.979,32.852 40.984,32.857 43.908,32.857 46.402,35.351 U4_I2C_MUX_2.15@47.075,35.351
SCL6_I2C_MUX_3: R23_TSL2591_73.1 U4_I2C_MUX_3.15 U6_TSL2591_73.1 | length 17.6
  Top Layer w0.2: v1(133.792,65.3) 133.792,65.65 U6_TSL2591_73.1@134.242,66.1
  Bottom Layer w0.2: U4_I2C_MUX_3.15@120.45,59.628 121.052,59.628 123.62,62.196 131.064,62.196 133.792,64.923 v1(133.792,65.3) 133.868,65.376 R23_TSL2591_73.1@134.495,65.376
SCL6_I2C_MUX_4: R23_TSL2591_74.1 U4_I2C_MUX_4.15 U6_TSL2591_74.1 | length 17.7
  Top Layer w0.2: U6_TSL2591_74.1@102.75,28.9 103.2,29.35 v1(103.2,29.7)
  Bottom Layer w0.2: R23_TSL2591_74.1@102.498,29.624 103.124,29.624 103.124,30 105.976,32.852 113.454,32.852 115.977,35.375 U4_I2C_MUX_4.15@116.649,35.375
SCL7_I2C_MUX_1: R23_TSL2591_81.1 U4_I2C_MUX_1.17 U6_TSL2591_81.1 | length 24
  Top Layer w0.2: v1(69.8,65.3) 69.8,65.65 U6_TSL2591_81.1@70.25,66.1
  Bottom Layer w0.2: U4_I2C_MUX_1.17@50.45,58.675 51.151,58.675 54.014,61.538 66.414,61.538 69.876,65 69.876,65.376 R23_TSL2591_81.1@70.503,65.376
SCL7_I2C_MUX_2: R23_TSL2591_82.1 U4_I2C_MUX_2.17 U6_TSL2591_82.1 | length 21.3
  Top Layer w0.2: U6_TSL2591_82.1@27.65,35.5 27.899,35.251 v1(28.453,35.251)
  Bottom Layer w0.2: v1(28.453,35.251) 34.52,35.251 36.17,33.602 43.45,33.602 46.199,36.351 U4_I2C_MUX_2.17@47.075,36.351
SCL7_I2C_MUX_3: R23_TSL2591_83.1 U4_I2C_MUX_3.17 U6_TSL2591_83.1 | length 21.6
  Top Layer w0.2: v1(138.5,59.95) 138.899,59.95 U6_TSL2591_83.1@139.35,59.499
  Bottom Layer w0.2: U4_I2C_MUX_3.17@120.45,58.628 121.15,58.628 124.013,61.491 131.011,61.491 132.552,59.95 v1(138.5,59.95) 138.626,59.824 R23_TSL2591_83.1@138.626,59.296
SCL7_I2C_MUX_4: R23_TSL2591_84.1 U4_I2C_MUX_4.17 U6_TSL2591_84.1 | length 24.2
  Top Layer w0.2: U6_TSL2591_84.1@96.75,28.9 97.2,29.35 v1(97.2,29.7)
  Bottom Layer w0.2: R23_TSL2591_84.1@96.498,29.624 97.124,29.624 v1(97.2,29.7) 97.2,30.076 100.681,33.557 112.956,33.557 115.774,36.375 U4_I2C_MUX_4.17@116.649,36.375
SDA: J2.10 LED1.3 LED2.3 R14.1 U1.27 U3.12 U4_I2C_MUX_1.20 U4_I2C_MUX_2.20 U4_I2C_MUX_3.20 U4_I2C_MUX_4.20 U5_PEX1.9 U5_PEX2.9 | length 201.5
  Top Layer w0.2: v1(48.4,42.5) 48.1,42.8 48.1,47.875 52.6,52.375 v1(52.6,52.9) ; v1(73.1,50.7) 73.201,50.7 v1(75.45,52.949) 75.7,52.7 82.976,52.7 v1(83.696,51.98) ; U3.12@99.747,37.216 101.616,37.216 103.1,38.7 103.1,48.984 102.9,49.184 102.9,49.8 103,49.9 v1(103.1,49.9) 103.1,57 J2.10@102.1,58 ; v1(117,48.9) 117.04,48.86 129.559,48.86 129.971,48.448 131.268,48.448 131.68,48.86 v1(133.3,48.86)
  Bottom Layer w0.2: LED1.3@38.763,41.675 37.82,41.675 37.4,42.096 37.4,51.825 37.9,52.325 38.693,52.641 38.841,52.7 51.3,52.7 ; U4_I2C_MUX_2.20@48.175,37.452 48.175,42.275 v1(48.4,42.5) ; U4_I2C_MUX_1.20@49.35,57.574 49.35,55.801 51.3,53.851 51.3,52.7 ; v1(52.6,52.9) 52.6,52.8 v1@52.7,52.7 ; U5_PEX1.9@63.382,44.676 63.827,44.676 64.251,45.1 71.894,45.1 73.052,46.258 73.052,50.329 73.05,50.331 73.05,50.569 73.052,50.571 73.052,50.852 73.1,50.805 v1(73.1,50.7) ; v1(75.45,52.949) 75.201,52.7 v1@52.7,52.7 ; v1(83.696,51.98) U1.27@83.696,50.875 83.696,50.076 84.137,49.635 102.735,49.635 103.1,50 103.647,50 104.011,49.635 116.265,49.635 v1(117,48.9) ; v1@117,49 117,49.352 120.2,52.552 120.2,56.3 119.7,56.8 119.349,57.151 U4_I2C_MUX_3.20@119.349,57.527 ; U4_I2C_MUX_4.20@117.75,37.475 117.75,37.95 117.605,38.095 117.605,39.404 117.305,39.704 117.305,48.595 v1(117,48.9) ; R14.1@118.924,48.85 117.05,48.85 v1(117,48.9) ; U5_PEX2.9@132.434,48.86 v1(133.3,48.86) ; 51.3,52.7 v1@52.7,52.7
SDA0_I2C_MUX_1: R22_TSL2591_11.1 U4_I2C_MUX_1.1 U6_TSL2591_11.6 | length 21.8
  Top Layer w0.2: U6_TSL2591_11.6@27.65,59.5 27.899,59.749 v1(28.449,59.749)
  Bottom Layer w0.2: R22_TSL2591_11.1@28.449,59.249 v1(28.449,59.749) 28.947,60.247 33.972,60.247 35.224,61.5 42.801,61.5 46.127,58.175 U4_I2C_MUX_1.1@46.749,58.175
SDA0_I2C_MUX_2: R22_TSL2591_12.1 U4_I2C_MUX_2.1 U6_TSL2591_12.6 | length 24.2
  Top Layer w0.2: v1(70.001,29.699) 70.001,29.15 U6_TSL2591_12.6@70.25,28.9
  Bottom Layer w0.2: U4_I2C_MUX_2.1@50.776,36.851 51.822,36.851 55.211,33.462 67.081,33.462 70.001,30.543 v1(70.001,29.699) 70.003,29.702 R22_TSL2591_12.1@70.576,29.702
SDA0_I2C_MUX_3: R22_TSL2591_13.1 U4_I2C_MUX_3.1 U6_TSL2591_13.6 | length 24.8
  Top Layer w0.2: U6_TSL2591_13.6@96.742,66.1 96.991,65.85 v1(96.991,65.301)
  Bottom Layer w0.2: R22_TSL2591_13.1@96.416,65.298 96.989,65.298 v1(96.991,65.301) 96.991,64.349 99.888,61.453 112.801,61.453 116.126,58.128 U4_I2C_MUX_3.1@116.749,58.128
SDA0_I2C_MUX_4: R22_TSL2591_14.1 U4_I2C_MUX_4.1 U6_TSL2591_14.6 | length 21.9
  Top Layer w0.2: v1(138.551,35.251) 139.101,35.251 U6_TSL2591_14.6@139.35,35.5
  Bottom Layer w0.2: U4_I2C_MUX_4.1@120.351,36.875 121.396,36.875 125.021,33.25 132.32,33.25 133.822,34.752 138.053,34.752 v1(138.551,35.251) ; v1@138.5,35.3 138.501,35.301 R22_TSL2591_14.1@138.501,35.801
SDA1_I2C_MUX_1: R22_TSL2591_21.1 U4_I2C_MUX_1.3 U6_TSL2591_21.6 | length 18.3
  Top Layer w0.2: U6_TSL2591_21.6@32.75,66.1 32.999,65.851 v1(32.999,65.301)
  Bottom Layer w0.2: R22_TSL2591_21.1@32.424,65.298 32.997,65.298 v1(32.999,65.301) 32.999,64.457 35.214,62.243 43.105,62.243 46.173,59.175 U4_I2C_MUX_1.3@46.749,59.175
SDA1_I2C_MUX_2: R22_TSL2591_22.1 U4_I2C_MUX_2.3 U6_TSL2591_22.6 | length 17.7
  Top Layer w0.2: v1(64.001,29.699) 64.001,29.15 U6_TSL2591_22.6@64.25,28.9
  Bottom Layer w0.2: U4_I2C_MUX_2.3@50.776,35.851 51.794,35.851 54.888,32.757 61.786,32.757 64.001,30.543 v1(64.001,29.699) 64.003,29.702 R22_TSL2591_22.1@64.576,29.702
SDA1_I2C_MUX_3: R22_TSL2591_23.1 U4_I2C_MUX_3.3 U6_TSL2591_23.6 | length 18.4
  Top Layer w0.2: U6_TSL2591_23.6@102.742,66.1 102.991,65.85 v1(102.991,65.301)
  Bottom Layer w0.2: R22_TSL2591_23.1@102.416,65.298 102.989,65.298 v1(102.991,65.301) 102.991,64.349 105.145,62.196 113.105,62.196 116.173,59.128 U4_I2C_MUX_3.3@116.749,59.128
SDA1_I2C_MUX_4: R22_TSL2591_24.1 U4_I2C_MUX_4.3 U6_TSL2591_24.6 | length 18.5
  Top Layer w0.2: v1(134.001,29.699) 134.001,29.149 U6_TSL2591_24.6@134.25,28.9
  Bottom Layer w0.2: U4_I2C_MUX_4.3@120.351,35.875 121.368,35.875 124.698,32.545 132.498,32.545 134.001,31.043 v1(134.001,29.699) 134.003,29.702 R22_TSL2591_24.1@134.576,29.702
SDA2_I2C_MUX_1: R22_TSL2591_31.1 U4_I2C_MUX_1.5 U6_TSL2591_31.6 | length 11.9
  Top Layer w0.2: U6_TSL2591_31.6@38.75,66.1 38.999,65.851 v1(38.999,65.301)
  Bottom Layer w0.2: R22_TSL2591_31.1@38.424,65.298 38.997,65.298 v1(38.999,65.301) 38.999,64.35 40.402,62.948 43.399,62.948 46.171,60.175 U4_I2C_MUX_1.5@46.749,60.175
SDA2_I2C_MUX_2: R22_TSL2591_32.1 U4_I2C_MUX_2.5 U6_TSL2591_32.6 | length 11.3
  Top Layer w0.2: v1(58.001,29.699) 58.001,29.15 U6_TSL2591_32.6@58.25,28.9
  Bottom Layer w0.2: U4_I2C_MUX_2.5@50.776,34.851 51.722,34.851 54.521,32.052 56.491,32.052 58.001,30.543 v1(58.001,29.699) 58.003,29.702 R22_TSL2591_32.1@58.576,29.702
SDA2_I2C_MUX_3: R22_TSL2591_33.1 U4_I2C_MUX_3.5 U6_TSL2591_33.6 | length 11.9
  Top Layer w0.2: U6_TSL2591_33.6@108.742,66.1 108.991,65.85 v1(108.991,65.301)
  Bottom Layer w0.2: R22_TSL2591_33.1@108.416,65.298 108.989,65.298 v1(108.991,65.301) 108.991,64.349 110.341,63 113.299,63 116.171,60.128 U4_I2C_MUX_3.5@116.749,60.128
SDA2_I2C_MUX_4: R22_TSL2591_34.1 U4_I2C_MUX_4.5 U6_TSL2591_34.6 | length 11.8
  Top Layer w0.2: v1(128.001,29.699) 128.001,29.149 U6_TSL2591_34.6@128.25,28.9
  Bottom Layer w0.2: U4_I2C_MUX_4.5@120.351,34.875 121.297,34.875 124.331,31.84 126.81,31.84 128.001,30.65 v1(128.001,29.699) 128.003,29.702 R22_TSL2591_34.1@128.576,29.702
SDA3_I2C_MUX_1: R22_TSL2591_41.1 U4_I2C_MUX_1.7 U6_TSL2591_41.6 | length 6.5
  Top Layer w0.2: U6_TSL2591_41.6@44.75,66.1 44.999,65.851 v1(44.999,65.301)
  Bottom Layer w0.2: R22_TSL2591_41.1@44.424,65.298 44.997,65.298 v1(44.999,65.301) 44.999,64.457 47.35,62.107 U4_I2C_MUX_1.7@47.35,61.275
SDA3_I2C_MUX_2: R22_TSL2591_42.1 U4_I2C_MUX_2.7 U6_TSL2591_42.6 | length 6.3
  Top Layer w0.2: v1(52.001,29.699) 52.001,29.15 U6_TSL2591_42.6@52.25,28.9
  Bottom Layer w0.2: U4_I2C_MUX_2.7@50.175,33.751 50.175,32.74 52.001,30.915 v1(52.001,29.699) 52.003,29.702 R22_TSL2591_42.1@52.576,29.702
SDA3_I2C_MUX_3: R22_TSL2591_43.1 U4_I2C_MUX_3.7 U6_TSL2591_43.6 | length 6.5
  Top Layer w0.2: U6_TSL2591_43.6@114.742,66.1 114.991,65.85 v1(114.991,65.301)
  Bottom Layer w0.2: R22_TSL2591_43.1@114.416,65.298 114.989,65.298 v1(114.991,65.301) 114.991,64.418 117.349,62.06 U4_I2C_MUX_3.7@117.349,61.228
SDA3_I2C_MUX_4: R22_TSL2591_44.1 U4_I2C_MUX_4.7 U6_TSL2591_44.6 | length 6.5
  Top Layer w0.2: v1(122.001,29.699) 122.001,29.149 U6_TSL2591_44.6@122.25,28.9
  Bottom Layer w0.2: U4_I2C_MUX_4.7@119.75,33.774 119.75,32.793 122.001,30.542 v1(122.001,29.699) 122.003,29.702 R22_TSL2591_44.1@122.576,29.702
SDA4_I2C_MUX_1: R22_TSL2591_51.1 U4_I2C_MUX_1.10 U6_TSL2591_51.6 | length 6.4
  Top Layer w0.2: U6_TSL2591_51.6@50.75,66.1 50.999,65.851 v1(50.999,65.301)
  Bottom Layer w0.2: U4_I2C_MUX_1.10@48.85,61.275 48.85,62.2 50.999,64.35 v1(50.999,65.301) 50.997,65.298 R22_TSL2591_51.1@50.424,65.298
SDA4_I2C_MUX_2: R22_TSL2591_52.1 U4_I2C_MUX_2.10 U6_TSL2591_52.6 | length 6.6
  Top Layer w0.2: v1(46.001,29.699) 46.001,29.15 U6_TSL2591_52.6@46.25,28.9
  Bottom Layer w0.2: R22_TSL2591_52.1@46.576,29.702 46.003,29.702 v1(46.001,29.699) 46.001,30.379 48.675,33.054 U4_I2C_MUX_2.10@48.675,33.751
SDA4_I2C_MUX_3: R22_TSL2591_53.1 U4_I2C_MUX_3.10 U6_TSL2591_53.6 | length 6.4
  Top Layer w0.2: U6_TSL2591_53.6@120.742,66.1 120.991,65.85 v1(120.991,65.301)
  Bottom Layer w0.2: U4_I2C_MUX_3.10@118.849,61.228 118.849,62.149 120.991,64.291 ; R22_TSL2591_53.1@120.416,65.298 120.989,65.298 v1(120.991,65.301) 120.991,64.349
SDA4_I2C_MUX_4: R22_TSL2591_54.1 U4_I2C_MUX_4.10 U6_TSL2591_54.6 | length 6.5
  Top Layer w0.2: v1(116.001,29.699) 116.001,29.149 U6_TSL2591_54.6@116.25,28.9
  Bottom Layer w0.2: R22_TSL2591_54.1@116.576,29.702 116.003,29.702 v1(116.001,29.699) 116.001,30.378 118.25,32.628 U4_I2C_MUX_4.10@118.25,33.774
SDA5_I2C_MUX_1: R22_TSL2591_61.1 U4_I2C_MUX_1.12 U6_TSL2591_61.6 | length 10.9
  Top Layer w0.2: U6_TSL2591_61.6@56.75,66.1 56.999,65.851 v1(56.999,65.301)
  Bottom Layer w0.2: U4_I2C_MUX_1.12@49.85,61.275 51.158,61.275 53.183,63.3 55.95,63.3 56.999,64.35 v1(56.999,65.301) 56.997,65.298 R22_TSL2591_61.1@56.424,65.298
SDA5_I2C_MUX_2: R22_TSL2591_62.1 U4_I2C_MUX_2.12 U6_TSL2591_62.6 | length 11.2
  Top Layer w0.2: v1(40.001,29.699) 40.001,29.15 U6_TSL2591_62.6@40.25,28.9
  Bottom Layer w0.2: R22_TSL2591_62.1@40.576,29.702 40.003,29.702 v1(40.001,29.699) 40.001,30.379 41.422,31.8 44.588,31.8 46.539,33.751 U4_I2C_MUX_2.12@47.675,33.751
SDA5_I2C_MUX_3: R22_TSL2591_63.1 U4_I2C_MUX_3.12 U6_TSL2591_63.6 | length 10.9
  Top Layer w0.2: U6_TSL2591_63.6@126.742,66.1 126.991,65.85 v1(126.991,65.301)
  Bottom Layer w0.2: U4_I2C_MUX_3.12@119.849,61.228 121.158,61.228 123.182,63.253 125.895,63.253 126.991,64.349 v1(126.991,65.301) 126.989,65.298 R22_TSL2591_63.1@126.416,65.298
SDA5_I2C_MUX_4: R22_TSL2591_64.1 U4_I2C_MUX_4.12 U6_TSL2591_64.6 | length 10.6
  Top Layer w0.2: v1(110.001,29.699) 110.001,29.149 U6_TSL2591_64.6@110.25,28.9
  Bottom Layer w0.2: R22_TSL2591_64.1@110.576,29.702 110.003,29.702 v1(110.001,29.699) 110.001,30.001 111.75,31.75 113.861,31.75 115.885,33.774 U4_I2C_MUX_4.12@117.25,33.774
SDA6_I2C_MUX_1: R22_TSL2591_71.1 U4_I2C_MUX_1.14 U6_TSL2591_71.6 | length 16.5
  Top Layer w0.2: U6_TSL2591_71.6@62.75,66.1 62.999,65.851 v1(62.999,65.301)
  Bottom Layer w0.2: U4_I2C_MUX_1.14@50.45,60.175 51.054,60.175 53.475,62.595 60.973,62.595 62.997,64.619 62.997,65.298 R22_TSL2591_71.1@62.424,65.298
SDA6_I2C_MUX_2: R22_TSL2591_72.1 U4_I2C_MUX_2.14 U6_TSL2591_72.6 | length 17.1
  Top Layer w0.2: v1(34.001,29.699) 34.001,29.15 U6_TSL2591_72.6@34.25,28.9
  Bottom Layer w0.2: R22_TSL2591_72.1@34.576,29.702 34.003,29.702 v1(34.001,29.699) 34.001,30.379 36.122,32.5 41.125,32.5 41.13,32.505 44.054,32.505 46.401,34.851 U4_I2C_MUX_2.14@47.075,34.851
SDA6_I2C_MUX_3: R22_TSL2591_73.1 U4_I2C_MUX_3.14 U6_TSL2591_73.6 | length 16.6
  Top Layer w0.2: U6_TSL2591_73.6@132.742,66.1 132.991,65.85 v1(132.991,65.301)
  Bottom Layer w0.2: U4_I2C_MUX_3.14@120.45,60.128 121.054,60.128 123.474,62.548 130.918,62.548 132.991,64.621 v1(132.991,65.301) 132.989,65.298 R22_TSL2591_73.1@132.416,65.298
SDA6_I2C_MUX_4: R22_TSL2591_74.1 U4_I2C_MUX_4.14 U6_TSL2591_74.6 | length 16.7
  Top Layer w0.2: v1(104.001,29.699) 104.001,29.149 U6_TSL2591_74.6@104.25,28.9
  Bottom Layer w0.2: v1(104.001,29.699) v1@104.003,29.702 ; R22_TSL2591_74.1@104.576,29.702 v1@104.003,29.702 ; U4_I2C_MUX_4.14@116.649,34.875 115.975,34.875 113.6,32.5 106.124,32.5 104.124,30.5 104.124,29.823 v1@104.003,29.702
SDA7_I2C_MUX_1: R22_TSL2591_81.1 U4_I2C_MUX_1.16 U6_TSL2591_81.6 | length 23
  Top Layer w0.2: U6_TSL2591_81.6@68.75,66.1 68.999,65.851 v1(68.999,65.301)
  Bottom Layer w0.2: U4_I2C_MUX_1.16@50.45,59.175 51.152,59.175 53.868,61.89 66.268,61.89 68.997,64.619 68.997,65.298 R22_TSL2591_81.1@68.424,65.298
SDA7_I2C_MUX_2: R22_TSL2591_82.1 U4_I2C_MUX_2.16 U6_TSL2591_82.6 | length 22.1
  Top Layer w0.2: U6_TSL2591_82.6@27.65,34 27.899,34.249 v1(28.449,34.249)
  Bottom Layer w0.2: R22_TSL2591_82.1@28.473,33.679 28.473,34.226 v1(28.449,34.249) 29.098,34.899 34.374,34.899 36.024,33.249 43.648,33.249 46.25,35.851 U4_I2C_MUX_2.16@47.075,35.851
SDA7_I2C_MUX_3: R22_TSL2591_83.1 U4_I2C_MUX_3.16 U6_TSL2591_83.6 | length 21.5
  Top Layer w0.2: v1(138.551,60.75) 139.1,60.75 U6_TSL2591_83.6@139.35,60.999
  Bottom Layer w0.2: U4_I2C_MUX_3.16@120.45,59.128 121.152,59.128 123.867,61.843 131.157,61.843 132.698,60.302 138.071,60.302 138.519,60.75 v1(138.551,60.75) R22_TSL2591_83.1@138.551,61.299
SDA7_I2C_MUX_4: R22_TSL2591_84.1 U4_I2C_MUX_4.16 U6_TSL2591_84.6 | length 23.1
  Top Layer w0.2: v1(98.001,29.699) 98.001,29.149 U6_TSL2591_84.6@98.25,28.9
  Bottom Layer w0.2: R22_TSL2591_84.1@98.576,29.702 98.003,29.702 v1(98.001,29.699) 98.001,30.378 100.827,33.205 113.154,33.205 115.825,35.875 U4_I2C_MUX_4.16@116.649,35.875
TX: J2.1 U1.31 U3.2 | length 33.7
  Top Layer w0.2: 93.394,39.406 93.634,39.166 U3.2@94.347,39.166 ; 93.4,39.4 93.352,39.448 93.352,46.552 93.8,47 v1(93.8,47.1) 93.852,47.152 93.852,48.548 93.4,49 93.4,53.2 v1(93.6,53.4)
  Bottom Layer w0.2: U1.31@80.496,50.875 80.5,50.871 80.5,49.902 83.002,47.4 93.5,47.4 v1(93.8,47.1) ; J2.1@92,55.5 93.6,53.9 v1(93.6,53.4)